# KiCad board SparkFun_IoT_RedBoard-RP2350_panelized.kicad_pcb (continued)
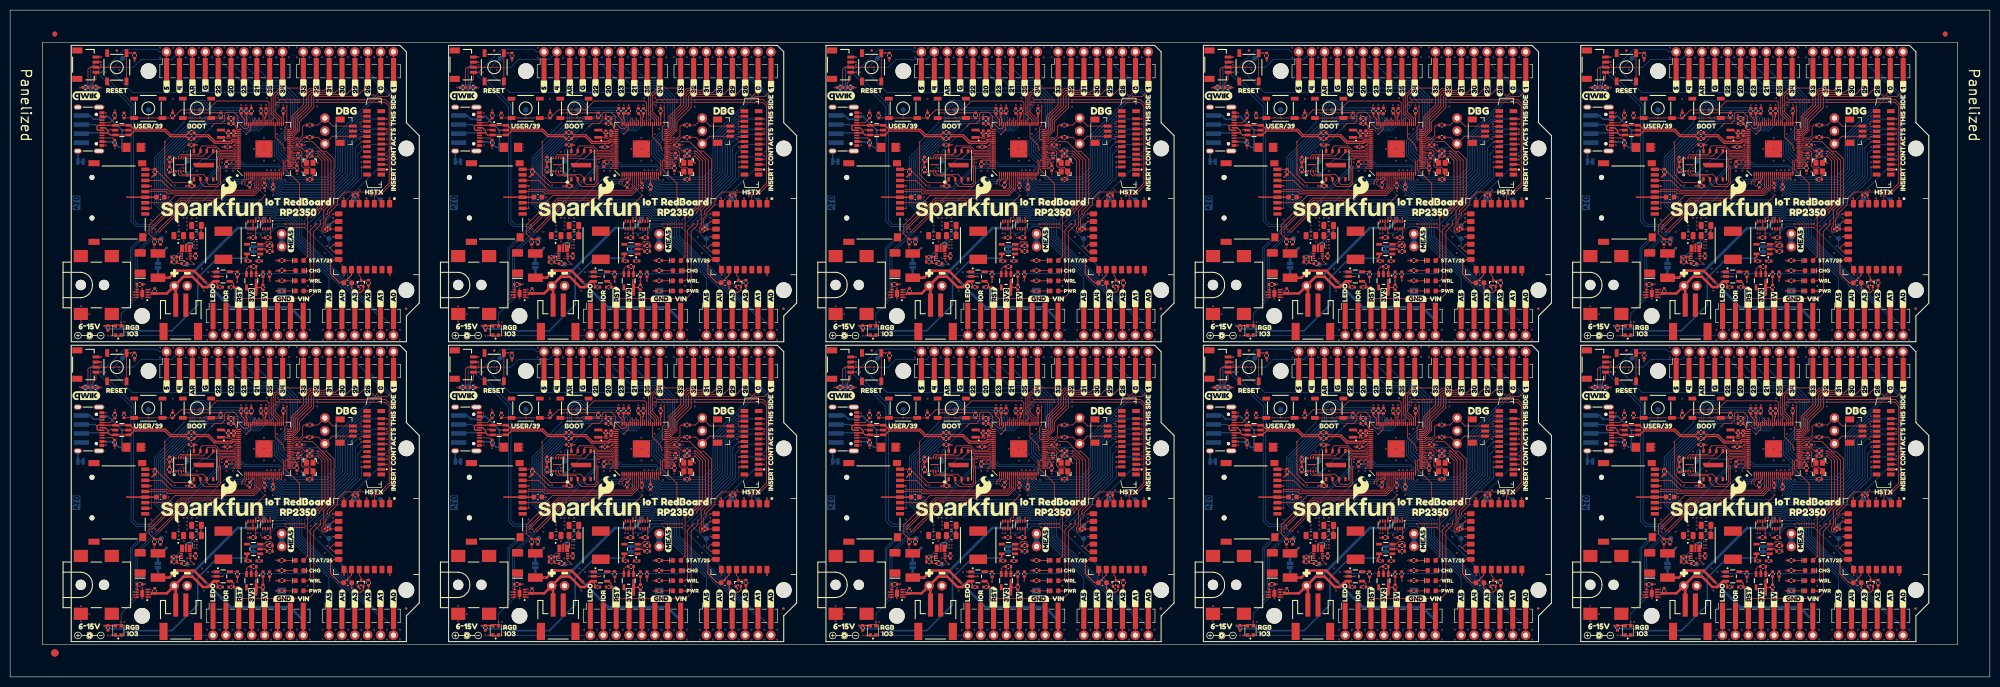
[diagram p0: board, top side]
## Placement (name value [footprint] x y rotation side) (continued)
R14#7  10k  [R_0402_1005Metric]  211.24 29.16 180 top
R14#8  10k  [R_0402_1005Metric]  285.6 29.16 180 top
R14#9  10k  [R_0402_1005Metric]  285.6 88.28 180 top
R14#10  10k  [R_0402_1005Metric]  62.52 29.16 180 top
R15  10k  [R_0402_1005Metric]  293.7 77.68 90 top
R15#2  10k  [R_0402_1005Metric]  144.98 18.56 90 top
R15#3  10k  [R_0402_1005Metric]  144.98 77.68 90 top
R15#4  10k  [R_0402_1005Metric]  293.7 18.56 90 top
R15#5  10k  [R_0402_1005Metric]  70.62 77.68 90 top
R15#6  10k  [R_0402_1005Metric]  219.34 18.56 90 top
R15#7  10k  [R_0402_1005Metric]  219.34 77.68 90 top
R15#8  10k  [R_0402_1005Metric]  368.06 77.68 90 top
R15#9  10k  [R_0402_1005Metric]  368.06 18.56 90 top
R15#10  10k  [R_0402_1005Metric]  70.62 18.56 90 top
R16  10k  [R_0402_1005Metric]  35.82 37.66 180 top
R16#2  10k  [R_0402_1005Metric]  333.26 37.66 180 top
R16#3  10k  [R_0402_1005Metric]  184.54 37.66 180 top
R16#4  10k  [R_0402_1005Metric]  35.82 96.78 180 top
R16#5  10k  [R_0402_1005Metric]  110.18 37.66 180 top
R16#6  10k  [R_0402_1005Metric]  258.9 37.66 180 top
R16#7  10k  [R_0402_1005Metric]  110.18 96.78 180 top
R16#8  10k  [R_0402_1005Metric]  184.54 96.78 180 top
R16#9  10k  [R_0402_1005Metric]  258.9 96.78 180 top
R16#10  10k  [R_0402_1005Metric]  333.26 96.78 180 top
R17  10k  [R_0402_1005Metric]  105.79 99.99 90 top
R17#2  10k  [R_0402_1005Metric]  254.5 99.99 90 top
R17#3  10k  [R_0402_1005Metric]  105.79 40.87 90 top
R17#4  10k  [R_0402_1005Metric]  31.42 99.99 90 top
R17#5  10k  [R_0402_1005Metric]  180.14 40.87 90 top
R17#6  10k  [R_0402_1005Metric]  180.14 99.99 90 top
R17#7  10k  [R_0402_1005Metric]  254.5 40.87 90 top
R17#8  10k  [R_0402_1005Metric]  328.87 40.87 90 top
R17#9  10k  [R_0402_1005Metric]  328.87 99.99 90 top
R17#10  10k  [R_0402_1005Metric]  31.42 40.87 90 top
R18  10k  [R_0402_1005Metric]  270.95 27.46 180 top
R18#2  10k  [R_0402_1005Metric]  345.31 27.46 180 top
R18#3  10k  [R_0402_1005Metric]  270.95 86.58 180 top
R18#4  10k  [R_0402_1005Metric]  196.59 86.58 180 top
R18#5  10k  [R_0402_1005Metric]  196.59 27.46 180 top
R18#6  10k  [R_0402_1005Metric]  345.31 86.58 180 top
R18#7  10k  [R_0402_1005Metric]  122.23 27.46 180 top
R18#8  10k  [R_0402_1005Metric]  122.23 86.58 180 top
R18#9  10k  [R_0402_1005Metric]  47.87 86.58 180 top
R18#10  10k  [R_0402_1005Metric]  47.87 27.46 180 top
R19  220k  [R_0402_1005Metric]  32.32 22.66 180 top
R19#2  220k  [R_0402_1005Metric]  181.04 22.66 180 top
R19#3  220k  [R_0402_1005Metric]  106.68 22.66 180 top
R19#4  220k  [R_0402_1005Metric]  32.32 81.78 180 top
R19#5  220k  [R_0402_1005Metric]  106.68 81.78 180 top
R19#6  220k  [R_0402_1005Metric]  255.4 81.78 180 top
R19#7  220k  [R_0402_1005Metric]  181.04 81.78 180 top
R19#8  220k  [R_0402_1005Metric]  255.4 22.66 180 top
R19#9  220k  [R_0402_1005Metric]  329.76 22.66 180 top
R19#10  220k  [R_0402_1005Metric]  329.76 81.78 180 top
R20  41.2k  [R_0402_1005Metric]  34.32 81.48 180 top
R20#2  41.2k  [R_0402_1005Metric]  108.68 22.36 180 top
R20#3  41.2k  [R_0402_1005Metric]  331.76 81.48 180 top
R20#4  41.2k  [R_0402_1005Metric]  257.4 22.36 180 top
R20#5  41.2k  [R_0402_1005Metric]  183.04 81.48 180 top
R20#6  41.2k  [R_0402_1005Metric]  108.68 81.48 180 top
R20#7  41.2k  [R_0402_1005Metric]  331.76 22.36 180 top
R20#8  41.2k  [R_0402_1005Metric]  257.4 81.48 180 top
R20#9  41.2k  [R_0402_1005Metric]  183.04 22.36 180 top
R20#10  41.2k  [R_0402_1005Metric]  34.32 22.36 180 top
R21  10k  [R_0402_1005Metric]  50.77 27.46 180 top
R21#2  10k  [R_0402_1005Metric]  199.49 86.58 180 top
R21#3  10k  [R_0402_1005Metric]  273.85 27.46 180 top
R21#4  10k  [R_0402_1005Metric]  50.77 86.58 180 top
R21#5  10k  [R_0402_1005Metric]  125.13 27.46 180 top
R21#6  10k  [R_0402_1005Metric]  125.13 86.58 180 top
R21#7  10k  [R_0402_1005Metric]  199.49 27.46 180 top
R21#8  10k  [R_0402_1005Metric]  273.85 86.58 180 top
R21#9  10k  [R_0402_1005Metric]  348.21 27.46 180 top
R21#10  10k  [R_0402_1005Metric]  348.21 86.58 180 top
R22  10k  [R_0402_1005Metric]  25.52 18.26 0 top
R22#2  10k  [R_0402_1005Metric]  174.24 77.38 0 top
R22#3  10k  [R_0402_1005Metric]  248.6 77.38 0 top
R22#4  10k  [R_0402_1005Metric]  322.96 77.38 0 top
R22#5  10k  [R_0402_1005Metric]  99.88 77.38 0 top
R22#6  10k  [R_0402_1005Metric]  174.24 18.26 0 top
R22#7  10k  [R_0402_1005Metric]  99.88 18.26 0 top
R22#8  10k  [R_0402_1005Metric]  25.52 77.38 0 top
R22#9  10k  [R_0402_1005Metric]  248.6 18.26 0 top
R22#10  10k  [R_0402_1005Metric]  322.96 18.26 0 top
R23  4.7k  [R_0402_1005Metric]  53.52 80.08 180 top
R23#2  4.7k  [R_0402_1005Metric]  202.24 80.08 180 top
R23#3  4.7k  [R_0402_1005Metric]  276.6 20.96 180 top
R23#4  4.7k  [R_0402_1005Metric]  127.88 20.96 180 top
R23#5  4.7k  [R_0402_1005Metric]  127.88 80.08 180 top
R23#6  4.7k  [R_0402_1005Metric]  202.24 20.96 180 top
R23#7  4.7k  [R_0402_1005Metric]  350.96 80.08 180 top
R23#8  4.7k  [R_0402_1005Metric]  350.96 20.96 180 top
R23#9  4.7k  [R_0402_1005Metric]  276.6 80.08 180 top
R23#10  4.7k  [R_0402_1005Metric]  53.52 20.96 180 top
R24  10k  [R_0402_1005Metric]  51.17 25.86 0 top
R24#2  10k  [R_0402_1005Metric]  199.89 25.86 0 top
R24#3  10k  [R_0402_1005Metric]  348.61 25.86 0 top
R24#4  10k  [R_0402_1005Metric]  51.17 84.98 0 top
R24#5  10k  [R_0402_1005Metric]  125.53 25.86 0 top
R24#6  10k  [R_0402_1005Metric]  199.89 84.98 0 top
R24#7  10k  [R_0402_1005Metric]  125.53 84.98 0 top
R24#8  10k  [R_0402_1005Metric]  274.25 25.86 0 top
R24#9  10k  [R_0402_1005Metric]  274.25 84.98 0 top
R24#10  10k  [R_0402_1005Metric]  348.61 84.98 0 top
R25  1M  [R_0402_1005Metric]  51.17 24.76 0 top
R25#2  1M  [R_0402_1005Metric]  125.53 83.88 0 top
R25#3  1M  [R_0402_1005Metric]  125.53 24.76 0 top
R25#4  1M  [R_0402_1005Metric]  274.25 24.76 0 top
R25#5  1M  [R_0402_1005Metric]  51.17 83.88 0 top
R25#6  1M  [R_0402_1005Metric]  199.89 24.76 0 top
R25#7  1M  [R_0402_1005Metric]  199.89 83.88 0 top
R25#8  1M  [R_0402_1005Metric]  348.61 24.76 0 top
R25#9  1M  [R_0402_1005Metric]  348.61 83.88 0 top
R25#10  1M  [R_0402_1005Metric]  274.25 83.88 0 top
R26  100k  [R_0402_1005Metric]  47.97 21.76 180 top
R26#2  100k  [R_0402_1005Metric]  122.33 21.76 180 top
R26#3  100k  [R_0402_1005Metric]  271.05 21.76 180 top
R26#4  100k  [R_0402_1005Metric]  47.97 80.88 180 top
R26#5  100k  [R_0402_1005Metric]  345.41 21.76 180 top
R26#6  100k  [R_0402_1005Metric]  122.33 80.88 180 top
R26#7  100k  [R_0402_1005Metric]  196.69 21.76 180 top
R26#8  100k  [R_0402_1005Metric]  196.69 80.88 180 top
R26#9  100k  [R_0402_1005Metric]  271.05 80.88 180 top
R26#10  100k  [R_0402_1005Metric]  345.41 80.88 180 top
R27  2.2k  [R_0402_1005Metric]  44.77 20.26 90 top
R27#2  2.2k  [R_0402_1005Metric]  267.85 79.38 90 top
R27#3  2.2k  [R_0402_1005Metric]  119.13 20.26 90 top
R27#4  2.2k  [R_0402_1005Metric]  193.49 20.26 90 top
R27#5  2.2k  [R_0402_1005Metric]  193.49 79.38 90 top
R27#6  2.2k  [R_0402_1005Metric]  44.77 79.38 90 top
R27#7  2.2k  [R_0402_1005Metric]  119.13 79.38 90 top
R27#8  2.2k  [R_0402_1005Metric]  267.85 20.26 90 top
R27#9  2.2k  [R_0402_1005Metric]  342.21 79.38 90 top
R27#10  2.2k  [R_0402_1005Metric]  342.21 20.26 90 top
R28  41.2k  [R_0402_1005Metric]  29.62 26.66 270 top
R28#2  41.2k  [R_0402_1005Metric]  327.06 85.78 270 top
R28#3  41.2k  [R_0402_1005Metric]  252.7 26.66 270 top
R28#4  41.2k  [R_0402_1005Metric]  327.06 26.66 270 top
R28#5  41.2k  [R_0402_1005Metric]  178.34 85.78 270 top
R28#6  41.2k  [R_0402_1005Metric]  252.7 85.78 270 top
R28#7  41.2k  [R_0402_1005Metric]  103.98 26.66 270 top
R28#8  41.2k  [R_0402_1005Metric]  103.98 85.78 270 top
R28#9  41.2k  [R_0402_1005Metric]  178.34 26.66 270 top
R28#10  41.2k  [R_0402_1005Metric]  29.62 85.78 270 top
R29  10k  [R_0402_1005Metric]  102.78 85.78 90 top
R29#2  10k  [R_0402_1005Metric]  177.14 26.66 90 top
R29#3  10k  [R_0402_1005Metric]  28.42 85.78 90 top
R29#4  10k  [R_0402_1005Metric]  102.78 26.66 90 top
R29#5  10k  [R_0402_1005Metric]  325.86 26.66 90 top
R29#6  10k  [R_0402_1005Metric]  177.14 85.78 90 top
R29#7  10k  [R_0402_1005Metric]  251.5 85.78 90 top
R29#8  10k  [R_0402_1005Metric]  251.5 26.66 90 top
R29#9  10k  [R_0402_1005Metric]  325.86 85.78 90 top
R29#10  10k  [R_0402_1005Metric]  28.42 26.66 90 top
R30  2.2k  [R_0402_1005Metric]  53.52 18.96 0 top
R30#2  2.2k  [R_0402_1005Metric]  127.88 78.08 0 top
R30#3  2.2k  [R_0402_1005Metric]  276.6 78.08 0 top
R30#4  2.2k  [R_0402_1005Metric]  53.52 78.08 0 top
R30#5  2.2k  [R_0402_1005Metric]  202.24 18.96 0 top
R30#6  2.2k  [R_0402_1005Metric]  202.24 78.08 0 top
R30#7  2.2k  [R_0402_1005Metric]  127.88 18.96 0 top
R30#8  2.2k  [R_0402_1005Metric]  276.6 18.96 0 top
R30#9  2.2k  [R_0402_1005Metric]  350.96 18.96 0 top
R30#10  2.2k  [R_0402_1005Metric]  350.96 78.08 0 top
R31  2.2k  [R_0402_1005Metric]  202.24 82.08 0 top
R31#2  2.2k  [R_0402_1005Metric]  53.52 82.08 0 top
R31#3  2.2k  [R_0402_1005Metric]  127.88 22.96 0 top
R31#4  2.2k  [R_0402_1005Metric]  127.88 82.08 0 top
R31#5  2.2k  [R_0402_1005Metric]  276.6 22.96 0 top
R31#6  2.2k  [R_0402_1005Metric]  202.24 22.96 0 top
R31#7  2.2k  [R_0402_1005Metric]  276.6 82.08 0 top
R31#8  2.2k  [R_0402_1005Metric]  350.96 22.96 0 top
R31#9  2.2k  [R_0402_1005Metric]  350.96 82.08 0 top
R31#10  2.2k  [R_0402_1005Metric]  53.52 22.96 0 top
R32  4.7k  [R_0402_1005Metric]  53.52 16.96 0 top
R32#2  4.7k  [R_0402_1005Metric]  202.24 76.08 0 top
R32#3  4.7k  [R_0402_1005Metric]  127.88 76.08 0 top
R32#4  4.7k  [R_0402_1005Metric]  53.52 76.08 0 top
R32#5  4.7k  [R_0402_1005Metric]  127.88 16.96 0 top
R32#6  4.7k  [R_0402_1005Metric]  202.24 16.96 0 top
R32#7  4.7k  [R_0402_1005Metric]  350.96 16.96 0 top
R32#8  4.7k  [R_0402_1005Metric]  350.96 76.08 0 top
R32#9  4.7k  [R_0402_1005Metric]  276.6 16.96 0 top
R32#10  4.7k  [R_0402_1005Metric]  276.6 76.08 0 top
R33  10k  [R_0402_1005Metric]  28.52 40.46 270 top
R33#2  10k  [R_0402_1005Metric]  102.88 40.46 270 top
R33#3  10k  [R_0402_1005Metric]  177.24 99.58 270 top
R33#4  10k  [R_0402_1005Metric]  251.6 99.58 270 top
R33#5  10k  [R_0402_1005Metric]  325.96 99.58 270 top
R33#6  10k  [R_0402_1005Metric]  28.52 99.58 270 top
R33#7  10k  [R_0402_1005Metric]  177.24 40.46 270 top
R33#8  10k  [R_0402_1005Metric]  102.88 99.58 270 top
R33#9  10k  [R_0402_1005Metric]  251.6 40.46 270 top
R33#10  10k  [R_0402_1005Metric]  325.96 40.46 270 top
R34  10k  [R_0402_1005Metric]  24.52 63.36 270 top
R34#2  10k  [R_0402_1005Metric]  24.52 122.48 270 top
R34#3  10k  [R_0402_1005Metric]  173.24 122.48 270 top
R34#4  10k  [R_0402_1005Metric]  98.88 63.36 270 top
R34#5  10k  [R_0402_1005Metric]  173.24 63.36 270 top
R34#6  10k  [R_0402_1005Metric]  321.96 122.48 270 top
R34#7  10k  [R_0402_1005Metric]  98.88 122.48 270 top
R34#8  10k  [R_0402_1005Metric]  247.6 63.36 270 top
R34#9  10k  [R_0402_1005Metric]  247.6 122.48 270 top
R34#10  10k  [R_0402_1005Metric]  321.96 63.36 270 top
R35  10k  [R_0402_1005Metric]  32.02 51.56 90 top
R35#2  10k  [R_0402_1005Metric]  106.38 110.68 90 top
R35#3  10k  [R_0402_1005Metric]  180.74 51.56 90 top
R35#4  10k  [R_0402_1005Metric]  32.02 110.68 90 top
R35#5  10k  [R_0402_1005Metric]  106.38 51.56 90 top
R35#6  10k  [R_0402_1005Metric]  329.46 110.68 90 top
R35#7  10k  [R_0402_1005Metric]  329.46 51.56 90 top
R35#8  10k  [R_0402_1005Metric]  255.1 110.68 90 top
R35#9  10k  [R_0402_1005Metric]  180.74 110.68 90 top
R35#10  10k  [R_0402_1005Metric]  255.1 51.56 90 top
Ref**  Val**  [POLARITY_MARKING_CENTER_POSITIVE]  15.62 8.16 180 top
Ref**#2  Val**  [POLARITY_MARKING_CENTER_POSITIVE]  15.62 67.28 180 top
Ref**#3  Val**  [POLARITY_MARKING_CENTER_POSITIVE]  89.98 67.28 180 top
Ref**#4  Val**  [POLARITY_MARKING_CENTER_POSITIVE]  89.98 8.16 180 top
Ref**#5  Val**  [POLARITY_MARKING_CENTER_POSITIVE]  313.06 8.16 180 top
Ref**#6  Val**  [POLARITY_MARKING_CENTER_POSITIVE]  164.34 8.16 180 top
Ref**#7  Val**  [POLARITY_MARKING_CENTER_POSITIVE]  164.34 67.28 180 top
Ref**#8  Val**  [POLARITY_MARKING_CENTER_POSITIVE]  238.7 8.16 180 top
Ref**#9  Val**  [POLARITY_MARKING_CENTER_POSITIVE]  238.7 67.28 180 top
Ref**#10  Val**  [POLARITY_MARKING_CENTER_POSITIVE]  313.06 67.28 180 top
Ref**#11  Val**  [OSHW_Logo_4mm]  112.53 19.01 180 bottom
Ref**#12  Val**  [OSHW_Logo_4mm]  38.17 19.01 180 bottom
Ref**#13  Val**  [OSHW_Logo_4mm]  186.89 78.13 180 bottom
Ref**#14  Val**  [OSHW_Logo_4mm]  186.89 19.01 180 bottom
Ref**#15  Val**  [OSHW_Logo_4mm]  261.25 19.01 180 bottom
Ref**#16  Val**  [OSHW_Logo_4mm]  261.25 78.13 180 bottom
Ref**#17  Val**  [OSHW_Logo_4mm]  335.61 19.01 180 bottom
Ref**#18  Val**  [OSHW_Logo_4mm]  335.61 78.13 180 bottom
Ref**#19  Val**  [OSHW_Logo_4mm]  112.53 78.13 180 bottom
Ref**#20  Val**  [OSHW_Logo_4mm]  38.17 78.13 180 bottom
Ref**#21  Val**  [POLARITY_MARKING_CENTER_POSITIVE]  22.92 18.11 90 bottom
Ref**#22  Val**  [POLARITY_MARKING_CENTER_POSITIVE]  320.36 18.11 90 bottom
Ref**#23  Val**  [POLARITY_MARKING_CENTER_POSITIVE]  22.92 77.23 90 bottom
Ref**#24  Val**  [POLARITY_MARKING_CENTER_POSITIVE]  97.28 77.23 90 bottom
Ref**#25  Val**  [POLARITY_MARKING_CENTER_POSITIVE]  171.64 18.11 90 bottom
Ref**#26  Val**  [POLARITY_MARKING_CENTER_POSITIVE]  171.64 77.23 90 bottom
Ref**#27  Val**  [POLARITY_MARKING_CENTER_POSITIVE]  246 18.11 90 bottom
Ref**#28  Val**  [POLARITY_MARKING_CENTER_POSITIVE]  97.28 18.11 90 bottom
Ref**#29  Val**  [POLARITY_MARKING_CENTER_POSITIVE]  246 77.23 90 bottom
Ref**#30  Val**  [POLARITY_MARKING_CENTER_POSITIVE]  320.36 77.23 90 bottom
ST1  -  [Standoff]  27.27 60.3 0 top
ST1#2  -  [Standoff]  250.35 119.42 0 top
ST1#3  -  [Standoff]  27.27 119.42 0 top
ST1#4  -  [Standoff]  101.63 60.3 0 top
ST1#5  -  [Standoff]  175.99 60.3 0 top
ST1#6  -  [Standoff]  324.71 119.42 0 top
ST1#7  -  [Standoff]  250.35 60.3 0 top
ST1#8  -  [Standoff]  101.63 119.42 0 top
ST1#9  -  [Standoff]  175.99 119.42 0 top
ST1#10  -  [Standoff]  324.71 60.3 0 top
ST2  -  [Standoff]  26 12.03 0 top
ST2#2  -  [Standoff]  100.36 71.15 0 top
ST2#3  -  [Standoff]  323.44 12.03 0 top
ST2#4  -  [Standoff]  249.08 12.03 0 top
ST2#5  -  [Standoff]  249.08 71.15 0 top
ST2#6  -  [Standoff]  26 71.15 0 top
ST2#7  -  [Standoff]  100.36 12.03 0 top
ST2#8  -  [Standoff]  174.72 12.03 0 top
ST2#9  -  [Standoff]  174.72 71.15 0 top
ST2#10  -  [Standoff]  323.44 71.15 0 top
ST3  -  [Standoff]  78.07 45.05 0 top
ST3#2  -  [Standoff]  375.51 45.05 0 top
ST3#3  -  [Standoff]  301.15 45.05 0 top
ST3#4  -  [Standoff]  152.43 104.17 0 top
ST3#5  -  [Standoff]  152.43 45.05 0 top
ST3#6  -  [Standoff]  226.79 45.05 0 top
ST3#7  -  [Standoff]  226.79 104.17 0 top
ST3#8  -  [Standoff]  301.15 104.17 0 top
ST3#9  -  [Standoff]  375.51 104.17 0 top
ST3#10  -  [Standoff]  78.07 104.17 0 top
ST4  -  [Standoff]  78.07 76.23 0 top
ST4#2  -  [Standoff]  152.43 76.23 0 top
ST4#3  -  [Standoff]  226.79 17.11 0 top
ST4#4  -  [Standoff]  301.15 76.23 0 top
ST4#5  -  [Standoff]  152.43 17.11 0 top
ST4#6  -  [Standoff]  301.15 17.11 0 top
ST4#7  -  [Standoff]  375.51 17.11 0 top
ST4#8  -  [Standoff]  375.51 76.23 0 top
ST4#9  -  [Standoff]  226.79 76.23 0 top
ST4#10  -  [Standoff]  78.07 17.11 0 top
SW1  BOOT  [Push_SMD_5.2x5.2mm_h2.5mm]  36.82 52.96 0 top
SW1#2  BOOT  [Push_SMD_5.2x5.2mm_h2.5mm]  185.54 112.08 0 top
SW1#3  BOOT  [Push_SMD_5.2x5.2mm_h2.5mm]  111.18 52.96 0 top
SW1#4  BOOT  [Push_SMD_5.2x5.2mm_h2.5mm]  185.54 52.96 0 top
SW1#5  BOOT  [Push_SMD_5.2x5.2mm_h2.5mm]  36.82 112.08 0 top
SW1#6  BOOT  [Push_SMD_5.2x5.2mm_h2.5mm]  111.18 112.08 0 top
SW1#7  BOOT  [Push_SMD_5.2x5.2mm_h2.5mm]  259.9 112.08 0 top
SW1#8  BOOT  [Push_SMD_5.2x5.2mm_h2.5mm]  334.26 52.96 0 top
SW1#9  BOOT  [Push_SMD_5.2x5.2mm_h2.5mm]  259.9 52.96 0 top
SW1#10  BOOT  [Push_SMD_5.2x5.2mm_h2.5mm]  334.26 112.08 0 top
SW2  RESET  [Push_SMD_5.2x5.2mm_h2.5mm]  21.02 61.06 90 top
SW2#2  RESET  [Push_SMD_5.2x5.2mm_h2.5mm]  244.1 61.06 90 top
SW2#3  RESET  [Push_SMD_5.2x5.2mm_h2.5mm]  318.46 61.06 90 top
SW2#4  RESET  [Push_SMD_5.2x5.2mm_h2.5mm]  169.74 120.18 90 top
SW2#5  RESET  [Push_SMD_5.2x5.2mm_h2.5mm]  95.38 120.18 90 top
SW2#6  RESET  [Push_SMD_5.2x5.2mm_h2.5mm]  21.02 120.18 90 top
SW2#7  RESET  [Push_SMD_5.2x5.2mm_h2.5mm]  95.38 61.06 90 top
SW2#8  RESET  [Push_SMD_5.2x5.2mm_h2.5mm]  169.74 61.06 90 top
SW2#9  RESET  [Push_SMD_5.2x5.2mm_h2.5mm]  244.1 120.18 90 top
SW2#10  RESET  [Push_SMD_5.2x5.2mm_h2.5mm]  318.46 120.18 90 top
SW3  USER  [Push_SMD_5.2x5.2mm_h2.5mm]  101.58 52.96 0 top
SW3#2  USER  [Push_SMD_5.2x5.2mm_h2.5mm]  101.58 112.08 0 top
SW3#3  USER  [Push_SMD_5.2x5.2mm_h2.5mm]  27.22 112.08 0 top
SW3#4  USER  [Push_SMD_5.2x5.2mm_h2.5mm]  175.94 52.96 0 top
SW3#5  USER  [Push_SMD_5.2x5.2mm_h2.5mm]  324.66 112.08 0 top
SW3#6  USER  [Push_SMD_5.2x5.2mm_h2.5mm]  175.94 112.08 0 top
SW3#7  USER  [Push_SMD_5.2x5.2mm_h2.5mm]  250.3 52.96 0 top
SW3#8  USER  [Push_SMD_5.2x5.2mm_h2.5mm]  250.3 112.08 0 top
SW3#9  USER  [Push_SMD_5.2x5.2mm_h2.5mm]  324.66 52.96 0 top
SW3#10  USER  [Push_SMD_5.2x5.2mm_h2.5mm]  27.22 52.96 0 top
TP1  1.0mm  [TestPoint-1.0mm]  29.8 27.28 180 bottom
TP1#2  1.0mm  [TestPoint-1.0mm]  178.52 86.4 180 bottom
TP1#3  1.0mm  [TestPoint-1.0mm]  252.88 86.4 180 bottom
TP1#4  1.0mm  [TestPoint-1.0mm]  29.8 86.4 180 bottom
TP1#5  1.0mm  [TestPoint-1.0mm]  104.16 86.4 180 bottom
TP1#6  1.0mm  [TestPoint-1.0mm]  178.52 27.28 180 bottom
TP1#7  1.0mm  [TestPoint-1.0mm]  252.88 27.28 180 bottom
TP1#8  1.0mm  [TestPoint-1.0mm]  104.16 27.28 180 bottom
TP1#9  1.0mm  [TestPoint-1.0mm]  327.24 27.28 180 bottom
TP1#10  1.0mm  [TestPoint-1.0mm]  327.24 86.4 180 bottom
TP2  1.0mm  [TestPoint-1.0mm]  62.82 27.28 180 bottom
TP2#2  1.0mm  [TestPoint-1.0mm]  62.82 86.4 180 bottom
TP2#3  1.0mm  [TestPoint-1.0mm]  211.54 27.28 180 bottom
TP2#4  1.0mm  [TestPoint-1.0mm]  285.9 27.28 180 bottom
TP2#5  1.0mm  [TestPoint-1.0mm]  137.18 86.4 180 bottom
TP2#6  1.0mm  [TestPoint-1.0mm]  360.26 86.4 180 bottom
TP2#7  1.0mm  [TestPoint-1.0mm]  137.18 27.28 180 bottom
TP2#8  1.0mm  [TestPoint-1.0mm]  211.54 86.4 180 bottom
TP2#9  1.0mm  [TestPoint-1.0mm]  360.26 27.28 180 bottom
TP2#10  1.0mm  [TestPoint-1.0mm]  285.9 86.4 180 bottom
TP3  1.0mm  [TestPoint-1.0mm]  62.82 29.82 180 bottom
TP3#2  1.0mm  [TestPoint-1.0mm]  211.54 88.94 180 bottom
TP3#3  1.0mm  [TestPoint-1.0mm]  285.9 88.94 180 bottom
TP3#4  1.0mm  [TestPoint-1.0mm]  62.82 88.94 180 bottom
TP3#5  1.0mm  [TestPoint-1.0mm]  137.18 29.82 180 bottom
TP3#6  1.0mm  [TestPoint-1.0mm]  137.18 88.94 180 bottom
TP3#7  1.0mm  [TestPoint-1.0mm]  211.54 29.82 180 bottom
TP3#8  1.0mm  [TestPoint-1.0mm]  285.9 29.82 180 bottom
TP3#9  1.0mm  [TestPoint-1.0mm]  360.26 29.82 180 bottom
TP3#10  1.0mm  [TestPoint-1.0mm]  360.26 88.94 180 bottom
TP4  1.0mm  [TestPoint-1.0mm]  72.98 34.9 180 bottom
TP4#2  1.0mm  [TestPoint-1.0mm]  147.34 34.9 180 bottom
TP4#3  1.0mm  [TestPoint-1.0mm]  72.98 94.02 180 bottom
TP4#4  1.0mm  [TestPoint-1.0mm]  370.42 94.02 180 bottom
TP4#5  1.0mm  [TestPoint-1.0mm]  147.34 94.02 180 bottom
TP4#6  1.0mm  [TestPoint-1.0mm]  370.42 34.9 180 bottom
TP4#7  1.0mm  [TestPoint-1.0mm]  296.06 94.02 180 bottom
TP4#8  1.0mm  [TestPoint-1.0mm]  296.06 34.9 180 bottom
TP4#9  1.0mm  [TestPoint-1.0mm]  221.7 94.02 180 bottom
TP4#10  1.0mm  [TestPoint-1.0mm]  221.7 34.9 180 bottom
TP5  1.0mm  [TestPoint-1.0mm]  67.9 34.9 180 bottom
TP5#2  1.0mm  [TestPoint-1.0mm]  142.26 94.02 180 bottom
TP5#3  1.0mm  [TestPoint-1.0mm]  67.9 94.02 180 bottom
TP5#4  1.0mm  [TestPoint-1.0mm]  142.26 34.9 180 bottom
TP5#5  1.0mm  [TestPoint-1.0mm]  365.34 94.02 180 bottom
TP5#6  1.0mm  [TestPoint-1.0mm]  216.62 34.9 180 bottom
TP5#7  1.0mm  [TestPoint-1.0mm]  290.98 34.9 180 bottom
TP5#8  1.0mm  [TestPoint-1.0mm]  365.34 34.9 180 bottom
TP5#9  1.0mm  [TestPoint-1.0mm]  216.62 94.02 180 bottom
TP5#10  1.0mm  [TestPoint-1.0mm]  290.98 94.02 180 bottom
TP6  1.0mm  [TestPoint-1.0mm]  34.88 39.98 90 bottom
TP6#2  1.0mm  [TestPoint-1.0mm]  183.6 99.1 90 bottom
TP6#3  1.0mm  [TestPoint-1.0mm]  109.24 39.98 90 bottom
TP6#4  1.0mm  [TestPoint-1.0mm]  332.32 39.98 90 bottom
TP6#5  1.0mm  [TestPoint-1.0mm]  183.6 39.98 90 bottom
TP6#6  1.0mm  [TestPoint-1.0mm]  109.24 99.1 90 bottom
TP6#7  1.0mm  [TestPoint-1.0mm]  257.96 99.1 90 bottom
TP6#8  1.0mm  [TestPoint-1.0mm]  34.88 99.1 90 bottom
TP6#9  1.0mm  [TestPoint-1.0mm]  257.96 39.98 90 bottom
TP6#10  1.0mm  [TestPoint-1.0mm]  332.32 99.1 90 bottom
TP7  1.0mm  [TestPoint-1.0mm]  34.88 42.52 90 bottom
TP7#2  1.0mm  [TestPoint-1.0mm]  257.96 101.64 90 bottom
TP7#3  1.0mm  [TestPoint-1.0mm]  109.24 42.52 90 bottom
TP7#4  1.0mm  [TestPoint-1.0mm]  34.88 101.64 90 bottom
TP7#5  1.0mm  [TestPoint-1.0mm]  257.96 42.52 90 bottom
TP7#6  1.0mm  [TestPoint-1.0mm]  332.32 42.52 90 bottom
TP7#7  1.0mm  [TestPoint-1.0mm]  109.24 101.64 90 bottom
TP7#8  1.0mm  [TestPoint-1.0mm]  183.6 101.64 90 bottom
TP7#9  1.0mm  [TestPoint-1.0mm]  183.6 42.52 90 bottom
TP7#10  1.0mm  [TestPoint-1.0mm]  332.32 101.64 90 bottom
TP8  1.0mm  [TestPoint-1.0mm]  34.88 22.2 180 bottom
TP8#2  1.0mm  [TestPoint-1.0mm]  257.96 81.32 180 bottom
TP8#3  1.0mm  [TestPoint-1.0mm]  34.88 81.32 180 bottom
TP8#4  1.0mm  [TestPoint-1.0mm]  109.24 22.2 180 bottom
TP8#5  1.0mm  [TestPoint-1.0mm]  183.6 22.2 180 bottom
TP8#6  1.0mm  [TestPoint-1.0mm]  257.96 22.2 180 bottom
TP8#7  1.0mm  [TestPoint-1.0mm]  109.24 81.32 180 bottom
TP8#8  1.0mm  [TestPoint-1.0mm]  183.6 81.32 180 bottom
TP8#9  1.0mm  [TestPoint-1.0mm]  332.32 22.2 180 bottom
TP8#10  1.0mm  [TestPoint-1.0mm]  332.32 81.32 180 bottom
TP9  1.0mm  [TestPoint-1.0mm]  37.42 52.68 90 bottom
TP9#2  1.0mm  [TestPoint-1.0mm]  260.5 111.8 90 bottom
TP9#3  1.0mm  [TestPoint-1.0mm]  37.42 111.8 90 bottom
TP9#4  1.0mm  [TestPoint-1.0mm]  111.78 111.8 90 bottom
TP9#5  1.0mm  [TestPoint-1.0mm]  186.14 111.8 90 bottom
TP9#6  1.0mm  [TestPoint-1.0mm]  186.14 52.68 90 bottom
TP9#7  1.0mm  [TestPoint-1.0mm]  111.78 52.68 90 bottom
TP9#8  1.0mm  [TestPoint-1.0mm]  260.5 52.68 90 bottom
TP9#9  1.0mm  [TestPoint-1.0mm]  334.86 52.68 90 bottom
TP9#10  1.0mm  [TestPoint-1.0mm]  334.86 111.8 90 bottom
TP10  1.0mm  [TestPoint-1.0mm]  22.18 62.84 180 bottom
TP10#2  1.0mm  [TestPoint-1.0mm]  22.18 121.96 180 bottom
TP10#3  1.0mm  [TestPoint-1.0mm]  170.9 62.84 180 bottom
TP10#4  1.0mm  [TestPoint-1.0mm]  245.26 62.84 180 bottom
TP10#5  1.0mm  [TestPoint-1.0mm]  96.54 121.96 180 bottom
TP10#6  1.0mm  [TestPoint-1.0mm]  96.54 62.84 180 bottom
TP10#7  1.0mm  [TestPoint-1.0mm]  319.62 62.84 180 bottom
TP10#8  1.0mm  [TestPoint-1.0mm]  319.62 121.96 180 bottom
TP10#9  1.0mm  [TestPoint-1.0mm]  170.9 121.96 180 bottom
TP10#10  1.0mm  [TestPoint-1.0mm]  245.26 121.96 180 bottom
TP11  1.0mm  [TestPoint-1.0mm]  27.26 52.68 90 bottom
TP11#2  1.0mm  [TestPoint-1.0mm]  324.7 111.8 90 bottom
TP11#3  1.0mm  [TestPoint-1.0mm]  324.7 52.68 90 bottom
TP11#4  1.0mm  [TestPoint-1.0mm]  250.34 111.8 90 bottom
TP11#5  1.0mm  [TestPoint-1.0mm]  175.98 52.68 90 bottom
TP11#6  1.0mm  [TestPoint-1.0mm]  250.34 52.68 90 bottom
TP11#7  1.0mm  [TestPoint-1.0mm]  27.26 111.8 90 bottom
TP11#8  1.0mm  [TestPoint-1.0mm]  101.62 52.68 90 bottom
TP11#9  1.0mm  [TestPoint-1.0mm]  101.62 111.8 90 bottom
TP11#10  1.0mm  [TestPoint-1.0mm]  175.98 111.8 90 bottom
U1  RP2350B  [QFN-80-1EP_10x10mm_P0.4mm_EP3.4x3.4mm]  50.02 44.96 90 top
U1#2  RP2350B  [QFN-80-1EP_10x10mm_P0.4mm_EP3.4x3.4mm]  273.1 104.08 90 top
U1#3  RP2350B  [QFN-80-1EP_10x10mm_P0.4mm_EP3.4x3.4mm]  198.74 104.08 90 top
U1#4  RP2350B  [QFN-80-1EP_10x10mm_P0.4mm_EP3.4x3.4mm]  124.38 44.96 90 top
U1#5  RP2350B  [QFN-80-1EP_10x10mm_P0.4mm_EP3.4x3.4mm]  124.38 104.08 90 top
U1#6  RP2350B  [QFN-80-1EP_10x10mm_P0.4mm_EP3.4x3.4mm]  50.02 104.08 90 top
U1#7  RP2350B  [QFN-80-1EP_10x10mm_P0.4mm_EP3.4x3.4mm]  198.74 44.96 90 top
U1#8  RP2350B  [QFN-80-1EP_10x10mm_P0.4mm_EP3.4x3.4mm]  273.1 44.96 90 top
U1#9  RP2350B  [QFN-80-1EP_10x10mm_P0.4mm_EP3.4x3.4mm]  347.46 104.08 90 top
U1#10  RP2350B  [QFN-80-1EP_10x10mm_P0.4mm_EP3.4x3.4mm]  347.46 44.96 90 top
U2  RM2  [RM2_Tight]  72.22 27.66 270 top
U2#2  RM2  [RM2_Tight]  146.58 27.66 270 top
U2#3  RM2  [RM2_Tight]  220.94 27.66 270 top
U2#4  RM2  [RM2_Tight]  295.3 86.78 270 top
U2#5  RM2  [RM2_Tight]  369.66 86.78 270 top
U2#6  RM2  [RM2_Tight]  72.22 86.78 270 top
U2#7  RM2  [RM2_Tight]  146.58 86.78 270 top
U2#8  RM2  [RM2_Tight]  220.94 86.78 270 top
U2#9  RM2  [RM2_Tight]  295.3 27.66 270 top
U2#10  RM2  [RM2_Tight]  369.66 27.66 270 top
U3  W25Q128JVPIM  [WDFN-8_6x5mm-SkinnyCenterPad]  38.12 41.76 90 top
U3#2  W25Q128JVPIM  [WDFN-8_6x5mm-SkinnyCenterPad]  112.48 41.76 90 top
U3#3  W25Q128JVPIM  [WDFN-8_6x5mm-SkinnyCenterPad]  112.48 100.88 90 top
U3#4  W25Q128JVPIM  [WDFN-8_6x5mm-SkinnyCenterPad]  38.12 100.88 90 top
U3#5  W25Q128JVPIM  [WDFN-8_6x5mm-SkinnyCenterPad]  261.2 41.76 90 top
U3#6  W25Q128JVPIM  [WDFN-8_6x5mm-SkinnyCenterPad]  335.56 100.88 90 top
U3#7  W25Q128JVPIM  [WDFN-8_6x5mm-SkinnyCenterPad]  186.84 41.76 90 top
U3#8  W25Q128JVPIM  [WDFN-8_6x5mm-SkinnyCenterPad]  186.84 100.88 90 top
U3#9  W25Q128JVPIM  [WDFN-8_6x5mm-SkinnyCenterPad]  335.56 41.76 90 top
